# Altium PCB novena_evt1_a.PcbDoc (part 9 of 12)
Units mm, origin at the board's own origin, x right, y up, seen from the top; angles counter-clockwise.
Board outline 121 x 150 mm, 10 copper layers (Top, L2-GND, L3, L4, L5-PWR, L6-PWR, L7, L8, L9-GND, Bot), stack 1.621 mm thick; 951 components, 714 nets, 4891 pads, 2105 vias.
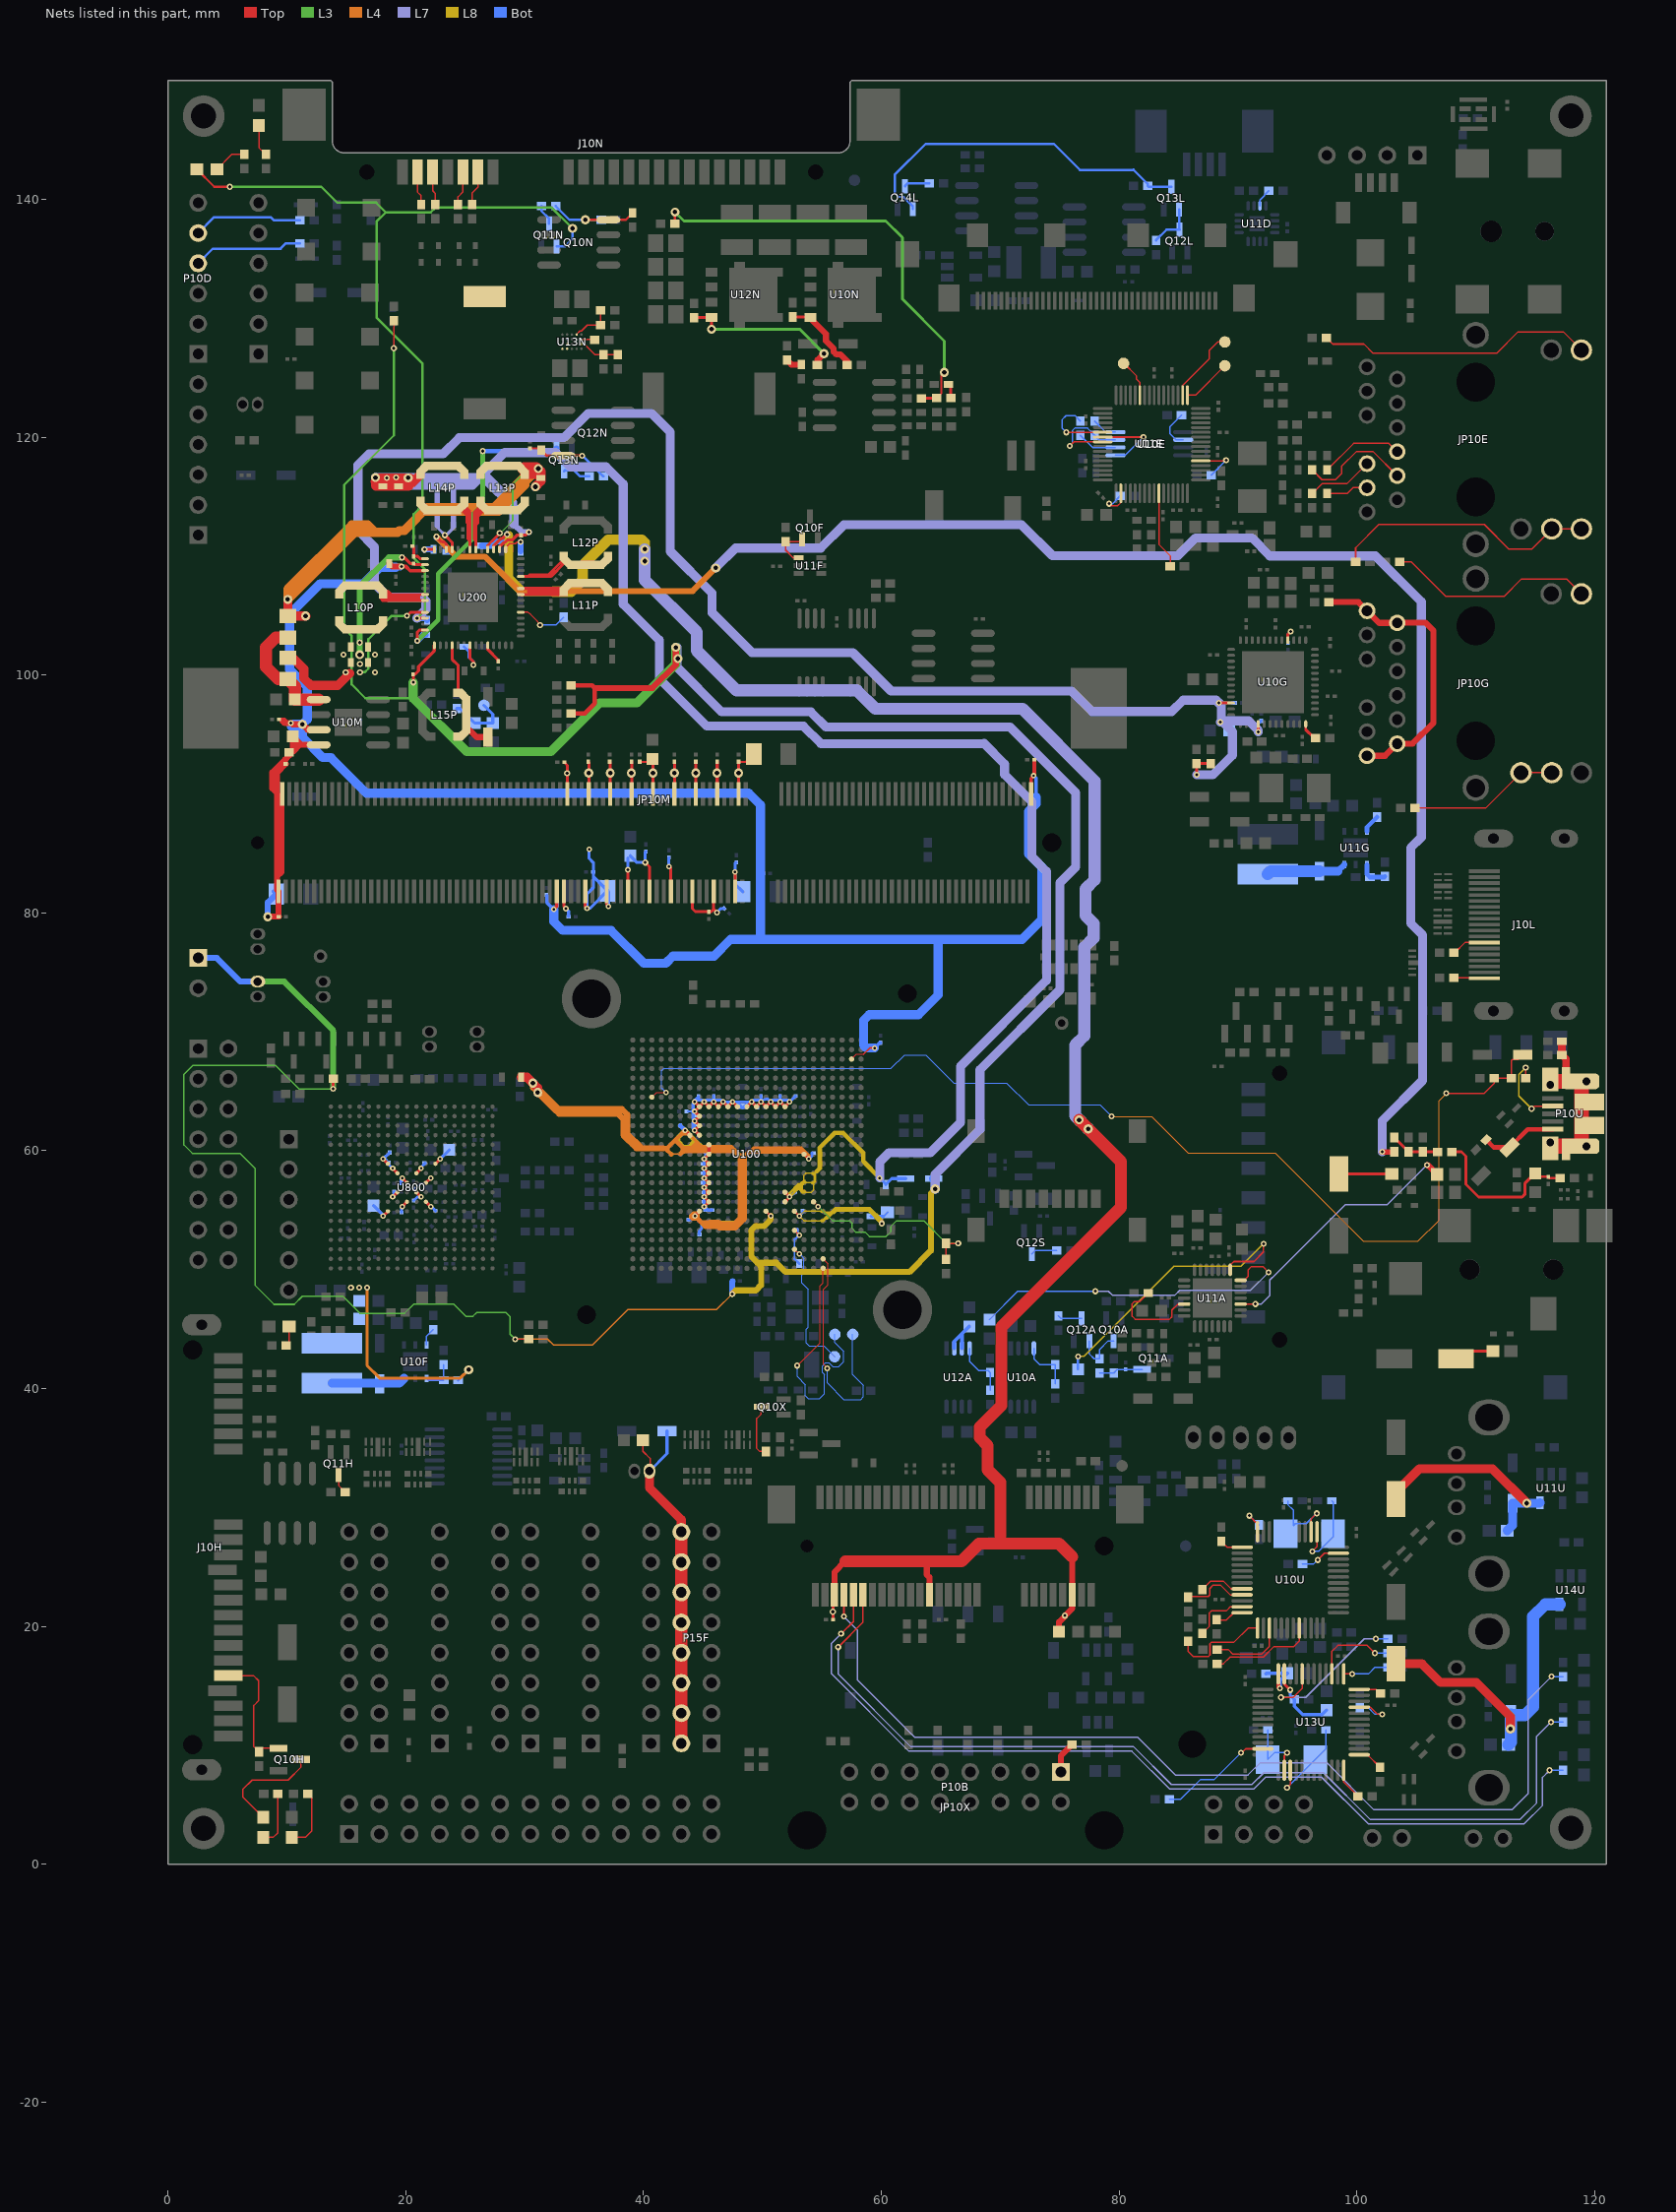
[diagram p17: the nets of this part, all layers, seen from the top]

## Via types
v1: diameter 0.508, hole 0.254, Top to Bot, tented both sides, 940 vias
v2: diameter 0.457, hole 0.203, Top to Bot, tented both sides, 793 vias
v3: diameter 0.762, hole 0.381, Top to Bot, tented both sides, 325 vias
v4: diameter 0.66, hole 0.33, Top to Bot, tented both sides, 23 vias
v5: diameter 0.66, hole 0.33, Top to Bot, tented top, 16 vias
v6: diameter 0.5, hole 0.254, Top to Bot, tented both sides, 8 vias

## Nets (pads, with @x,y where several pads share a name; then routed paths per layer and width w, separated by ;. In a path a pad name is that pad's centre, name@x,y a point inside that pad or via, vN(x,y) a via of type N, cw(c..) or ccw(c..) an arc to the next point about the centre after c; other vN are vias at no path point) (continued)
NetC20P_2: C20P.2 C23P.1 U200.29 | length 2
  Top w0.254: C23P.1@20.55,110.85 20.675,110.725 C20P.2@20.675,109.975 21,109.975 21.2,109.775 U200.29@21.625,109.775
NetC23X_1: C23X.1 C24X.1 L10X.2 U100.G8 | length 20.3
  Top w0.178: U100.G8@52.7,54.9 v2(53.1,54.5)
  L8 w0.127: 54.95,54.1 53.5,54.1 v2(53.1,54.5) 53.506,54.906 54.863,54.906 54.871,54.914 54.961,54.914
  L8 w0.254: 54.95,54.1 55.1,54.1 55.313,54.313 ; 54.961,54.914 55.089,54.914 55.1,54.925 55.25,54.775 55.575,54.775 ; 55.313,54.313 55.438,54.313 55.9,54.775 ; 55.313,54.313 55.575,54.575 ; 55.575,54.575 55.575,54.775 ; 55.575,54.575 55.775,54.775 ; 55.575,54.775 55.75,54.775 ; 55.75,54.775 56.125,55.15 59.05,55.15 60.028,54.172 v1(60.028,53.878) 58.931,54.975 56.225,54.975 56.025,54.775 55.9,54.775 ; 55.75,54.775 55.775,54.775 ; 55.775,54.775 55.9,54.775
  Bot w0.178: v2(53.1,54.5) 53.375,54.775 C24X.1@53.375,54.95 ; v1(60.028,53.878) 60.028,54.303 60.225,54.5 L10X.2@60.525,54.8
  Bot w0.254: C23X.1@59.125,54.5 L10X.2@60.225,54.5
NetC24N_1: C24N.1 R12N.1 | length 1.4
  Top w0.508: R12N.1@52.075,126.475 52.45,126.1 C24N.1@53.275,126.1
NetC24U_1: C24U.1 D16U.1 L11U.1 U11U.5 | length 18.4
  Top w0.762: C24U.1@103.3,30.7 103.3,31.275 105.275,33.25 111.4,33.25 v3(114.3,30.35)
  Bot w0.762: L11U.1@112.65,28.05 113.1,28.5 D16U.1@113.1,30.35 115.35,30.35 U11U.5@115.4,30.4
NetC25N_1: C25N.1 R16N.1 | length 1.2
  Top w0.254: C25N.1@65.65,124.425 65.85,124.225 R16N.1@65.85,123.275
NetC25U_1: C25U.1 P10U.0 R20U.1 | length 14
  Top w0.635: C25U.1@117.25,69.2 R20U.1@117.25,68.05 117.6,67.7 P10U.0@117.6,66.1
  Top w1.27: P10U.0@116.27,60.2 116.445,60.375 P10U.0@118.825,60.375 118.9,60.45 118.9,65.75 P10U.0@118.825,65.825 116.445,65.825 P10U.0@116.27,66
NetC26A_1: C26A.1 U11A.15 | length 25
  Top w0.127: U11A.15@89.35,49.975 89.35,50.375 89.65,50.675 91.35,50.675 92.15,51.475 v1(92.15,52.175)
  L8 w0.127: v1(76.55,42.7) 77.05,42.7 84.65,50.3 90.275,50.3 v1(92.15,52.175)
  Bot w0.203: C26A.1@76.55,41.625 v1(76.55,42.7) v1@76.575,42.725
NetC27N_2: C27N.2 Q10N.4 R24N.1 R29N.1 | length 8.5
  Top w0.203: v3(35.1,138.275) 35.105,138.28 Q10N.4@37.05,138.28 38.505,138.28 C27N.2@39.075,138.85
  Bot w0.203: R29N.1@32.625,139.425 33.775,138.275 v3(35.1,138.275) 35.105,138.28 R24N.1@36.45,138.28
NetC28A_1: C28A.1 U11A.14 | length 28.7
  Top w0.127: U11A.14@90.225,49.1 90.525,49.1 90.85,49.425 90.85,49.975 91.125,50.25 92.1,50.25 v1(92.575,49.775)
  L7 w0.127: v1(78,48.175) 79.106,48.175 79.425,47.856 84.706,47.856 85.1,48.25 91.05,48.25 v1(92.575,49.775)
  Bot w0.127: C28A.1@69.1,45.8 71.475,48.175 v1(78,48.175)
NetC29A_2: C29A.2 U12A.2 U12A.3 | length 3.6
  Bot w0.305: U12A.2@66.133,43.374 66.133,43.958 66.783,44.608 ; U12A.3@66.783,43.374 66.783,44.608 ; C29A.2@67.4,45.225 66.783,44.608
NetC30A_2: C30A.2 L10A.1 | length 3.4
  Top w0.254: C30A.2@108.35,42.5 109,43.15 L10A.1@111.45,43.15
NetC30N_2: C30N.2 Q12N.4 R35N.1 R38N.1 | length 7.2
  Top w0.203: C30N.2@30.45,119.05 31.25,119.05 R35N.1@31.4,118.9 31.855,118.445 Q12N.4@33.25,118.445 v1(34.845,118.445) v1@34.85,118.45
  Bot w0.203: v1(34.845,118.445) 34.88,118.445 R38N.1@36.625,116.7
NetC31A_2: C31A.2 L11A.1 | length 4.5
  Top w0.254: C31A.2@98.5,58.05 L11A.1@102.95,58.05
NetC31U_1: C31U.1 U10U.14 Y10U.1 | length 7.1
  Top w0.127: v1(96.25,26.3) 96.65,26.7 U10U.14@96.65,27.95
  Bot w0.127: v1(96.25,26.3) 96.775,26.3 98,27.525 Y10U.1@98,27.8 98,30.45 C31U.1@97.9,30.55
NetC32A_1: C32A.1 Q11A.1 R17A.1 R20A.1 | length 3.7
  Bot w0.127: R17A.1@78.35,41.3 R20A.1@79.55,41.3 79.85,41.6 C32A.1@80.55,41.6 Q11A.1@81.95,41.6
NetC32U_1: C32U.1 U10U.15 Y10U.2 | length 6.4
  Top w0.127: U10U.15@96.15,27.95 96.15,29.025 v1(96.625,29.5)
  Bot w0.127: C32U.1@94.2,30.55 94.2,30.225 94.675,29.75 Y10U.2@94.675,28.475 ; Y10U.2@94.662,28.462 Y10U.2@94.675,28.475 ; v1(96.625,29.5) 95.75,28.625 94.825,28.625 Y10U.2@94.675,28.475
NetC35A_2: C35A.2 C36A.1 R22A.2 R23A.1 | length 13.6
  Top w0.203: C36A.1@115,58.1 115.3,57.8 C35A.2@116.1,57.8 116.2,57.7 R22A.2@117.1,57.7
  Top w0.254: R23A.1@108,59.9 108.8,59.9 109.175,59.525 109.175,57.175 110.25,56.1 113.9,56.1 114.125,56.325 114.125,57.225 C36A.1@115,58.1
NetC37U_1: C37U.1 R28U.2 U13U.47 | length 6.2
  Top w0.127: U13U.47@93.9,15.15 U13U.47@93.9,16
  Top w0.254: U13U.47@93.9,15.15 v1(94.4,14.65)
  Bot w0.254: v1(94.4,14.65) 94.4,14.2 R28U.2@94.75,13.85 94.75,13.275 95.45,12.575 97.075,12.575 C37U.1@97.45,12.95
NetC38U_1: C38U.1 R31U.2 U13U.48 | length 4.6
  Top w0.305: U13U.48@93.4,16 93.4,14.9 v1(93.525,14.775)
  Bot w0.305: R31U.2@92.35,16 92.4,16.05 C38U.1@94.15,16.05 93.525,15.425 v1(93.525,14.775)
NetC50P_1: C50P.1 U200.52 | length 1.7
  Top w0.254: U200.52@26.9,102.5 26.9,102.133 27.775,101.258 C50P.1@27.775,101.15
NetC50U_1: C50U.1 D17U.1 L14U.1 U14U.5 | length 27.6
  Top w0.762: C50U.1@103.3,16.85 105.475,16.85 107.05,15.275 110.05,15.275 112.925,12.4 v3(112.925,11.375)
  Bot w1.016: L14U.1@112.75,10.05 112.95,10.25 D17U.1@112.95,12.6 113.025,12.525 114.125,12.525 114.825,13.225 114.825,20.825 115.85,21.85 U14U.5@117.05,21.85
NetC51P_1: C51P.1 U200.49 | length 3.6
  Top w0.254: U200.49@25.4,102.5 25.4,101.393 25.7,101.093 v1(25.7,100.85)
  Bot w0.254: C51P.1@24.9,102.375 25.325,101.95 25.325,101.468 25.7,101.093 v1(25.7,100.85)
NetC52P_1: C52P.1 C53P.1 J10P.1 R17P.1 | length 5.3
  Bot w0.254: R17P.1@24.3,97.175 24.575,97.175 C52P.1@25.8,95.95 C53P.1@27.325,95.95 27.325,96.7 J10P.1@26.575,97.45
NetC53C_1: C53C.1 C54C.1 C55C.1 C56C.1 C57C.1 C58C.1 C59C.1 C60C.1 U100.H17 U100.J17 U100.K17 U100.L17 U100.M17 U100.N17 U100.P17 | length 12.9
  Top w0.254: v2(45.1,55.3) U100.H17@45.5,55.7 v2(45.1,56.1) U100.J17@45.5,56.5 v2(45.1,56.9) U100.K17@45.5,57.3 v2(45.1,57.7) U100.L17@45.5,58.1 v2(45.1,58.5) U100.M17@45.5,58.9 v2(45.1,59.3) U100.N17@45.5,59.7
  Top w0.305: U100.N17@45.5,59.7 U100.P17@45.5,60.5
  Bot w0.254: C59C.1@45.2,55 v2@45.2,55.2 ; C60C.1@45.248,60.094 45.248,59.448 v2(45.1,59.3) 45.094,59.294 45.094,58.506 v2(45.1,58.5) 45.094,58.494 45.094,57.706 v2(45.1,57.7) 45.094,57.694 45.094,56.906 v2(45.1,56.9) 45.094,56.894 45.094,56.106 v2(45.1,56.1) 45.094,56.094 45.094,55.306 v2(45.1,55.3) v2@45.2,55.2 ; C57C.1@45.775,55 45.4,55 v2@45.2,55.2
NetC53U_1: C53U.1 U13U.14 Y11U.1 | length 5.9
  Top w0.127: U13U.14@93.9,7.9 93.9,9.15 v1(94.125,9.375)
  Bot w0.127: Y11U.1@92.5,8.8 Y11U.1@92.525,8.825 ; C53U.1@92.525,11.3 Y11U.1@92.525,8.825 ; v1(94.125,9.375) 93.075,9.375 Y11U.1@92.525,8.825
NetC54U_1: C54U.1 U13U.15 Y11U.2 | length 7.8
  Top w0.127: v1(94.125,6.425) 94.4,6.7 U13U.15@94.4,7.9
  Bot w0.127: v1(94.125,6.425) Y11U.2@96.5,8.8 97.4,9.7 C54U.1@97.4,11.3
NetC55M_1: C55M.1 R15M.2 R16M.2 U10M.1 | length 10
  Top w1.016: R16M.2@10.075,103.15 9.075,103.15 8.25,102.325 8.25,100.675 9.275,99.65 R15M.2@10.075,99.65 10.675,99.05 C55M.1@10.675,97.925 10.68,97.93 U10M.1@12.675,97.93
NetC74F_2: C74F.2 D21F.1 P15F.2 P15F.4 P15F.6 P15F.8 P15F.10 P15F.12 P15F.14 P15F.16 P_PWM.1 | length 30.9
  Top w0.127: C74F.2@39.95,35.65 39.95,34.725 40.55,34.125 40.55,33.1 P_PWM.1@40.5,33.05
  Top w0.762: P_PWM.1@40.5,33.05 40.5,31.65 43.18,28.97 P15F.16@43.18,27.94
  Top w1.016: P15F.2@43.18,10.16 P15F.4@43.18,12.7 P15F.6@43.18,15.24 P15F.8@43.18,17.78 P15F.10@43.18,20.32 P15F.12@43.18,22.86 P15F.14@43.18,25.4 P15F.16@43.18,27.94
  Bot w0.254: P_PWM.1@40.5,33.05 41.975,34.525 D21F.1@41.975,36.425
NetD10F_1: D10F.1 R22F.1 | length 1.7
  Top w0.127: R22F.1@9.95,43.6 10.2,43.85 D10F.1@10.2,45.2
NetD10G_2: D10G.2 L12G.1 U11G.3 | length 6.8
  Bot w0.508: 98.4,83.5 U11G.3@98.95,84.05
  Bot w0.762: D10G.2@96.85,83.5 98.4,83.5
  Bot w1.016: L12G.1@92.5,83.25 92.75,83.5 D10G.2@96.85,83.5
NetD10H_1: D10H.1 Q10H.3 | length 9.4
  Top w0.127: D10H.1@8,3.95 6.3,5.65 6.3,6.3 7.075,7.075 10.1,7.075 11.2,8.175 Q10H.3@11.2,8.8
NetD10H_2: D10H.2 R14H.2 | length 4.7
  Top w0.127: D10H.2@8,2.25 8.85,2.25 9.25,2.65 R14H.2@9.25,5.9
NetD10P_2: D10P.2 R10P.2 | length 2.8
  Top w0.127: D10P.2@4.125,142.525 5.375,143.775 R10P.2@6.425,143.775
NetD11F_2: D11F.2 L10F.1 U10F.3 | length 6.2
  Bot w0.762: L10F.1@13.8,40.45 19.45,40.45 U10F.3@19.85,40.85
NetD11P_1: D11P.1 L15P.1 U200.46 | length 7.3
  Top w0.254: U200.46@23.9,102.5 23.9,101.325 24.4,100.825 24.4,98.6 L15P.1@24.375,98.575
  Top w0.508: L15P.1@25.1,96.65 25.1,95.65 25.975,94.775 D11P.1@26.9,94.775
NetD12F_2: D12F.2 R27F.2 | length 5.2
  Top w0.127: D12F.2@10.4,2.25 11.55,2.25 12.075,2.775 12.075,5.575 R27F.2@11.75,5.9
NetD14D_2: D14D.2 R18D.2 | length 2.7
  Top w0.127: D14D.2@7.65,146.2 7.65,144.35 R18D.2@8.225,143.775
NetJ10C_1: J10C.1 U100.C8 | length 11.5
  Top w0.102: U100.C8@52.7,51.7 v2(53.1,51.3)
  Bot w0.102: v2(53.1,51.3) 53.141,51.3 53.502,50.938 53.502,49.752 53.3,49.55 53.3,48.875 53.85,48.325 53.85,45.15 53.7,45 53.7,43.825 53.95,43.575 55.175,43.575 J10C.1@56.075,42.675
NetJ10E_1: J10E.1 U10E.27 | length 3.3
  Top w0.127: J10E.1@80.375,126.2 80.425,126.2 81.45,125.175 81.45,124.9 81.75,124.6 U10E.27@81.75,123.529
NetJ10H_5: J10H.5 Q10H.1 R13H.2 | length 10.8
  Top w0.127: J10H.5@5.075,15.855 7.195,15.855 7.625,15.425 7.625,13.75 7.225,13.35 7.225,9.875 R13H.2@7.65,9.45 7.95,9.75 Q10H.1@9.3,9.75
NetJ10L_13: J10L.13 R31L.1 | length 2.9
  Top w0.127: R31L.1@108.15,76.65 108.25,76.65 109.1,77.5 J10L.13@110.74,77.5
NetJ10L_19: J10L.19 R32L.1 | length 2.6
  Top w0.127: R32L.1@108.15,74.55 110.69,74.55 J10L.19@110.74,74.5
NetJ10N_17: J10N.17 R22N.1 | length 2.9
  Top w0.127: R22N.1@25.6,139.55 25.6,140.55 26.075,141.025 J10N.17@26.075,142.3
NetJ10N_18: J10N.18 R23N.1 | length 2.9
  Top w0.127: R23N.1@24.4,139.55 24.4,140.2 24.805,140.605 J10N.18@24.805,142.3
NetJ10N_20: J10N.20 R26N.1 | length 2.8
  Top w0.127: J10N.20@22.265,142.3 22.265,140.71 22.5,140.475 R26N.1@22.5,139.55
NetJ10N_21: J10N.21 R27N.1 | length 2.9
  Top w0.127: J10N.21@20.995,142.3 20.975,142.28 20.975,140.625 21.3,140.3 R27N.1@21.3,139.55
NetJ11C_1: J11C.1 U100.A5 | length 20.9
  Top w0.102: v1@52.975,41.95 54.85,43.825 54.85,48.616 55.1,48.866 U100.A5@55.1,50.1
  Bot w0.102: v1(52.925,41.925) 52.925,41.025 53.625,40.325 53.625,39.4 53.875,39.15 54.8,39.15 55.2,39.55 55.2,41.175 55.044,41.331 55.044,41.894 55.3,42.15 55.6,42.15 55.925,41.825 56.425,41.825 56.85,42.25 56.85,43.125 56.1,43.875 J11C.1@56.1,44.55
NetJ11E_1: J11E.1 U10E.18 | length 6.3
  Top w0.127: U10E.18@85.35,123.529 85.35,124.35 87.6,126.6 87.6,127.3 88.3,128 J11E.1@88.9,128
NetJ12C_1: J12C.1 U100.B5 | length 20.2
  Top w0.102: U100.B5@55.1,50.9 55.5,50.5 55.5,48.7 55.125,48.325 55.125,42.025 v1(55.45,41.7)
  Bot w0.102: v1(55.45,41.7) 55.45,40.475 56.85,39.075 58.275,39.075 58.5,39.3 58.5,40.275 57.6,41.175 J12C.1@57.6,44.55
NetJ12E_1: J12E.1 U10E.17 | length 4.2
  Top w0.127: U10E.17@85.75,123.529 86.429,123.529 J12E.1@88.9,126
NetJP10E_L1: JP10E.L1 R25E.2 | length 23.4
  Top w0.127: R25E.2@97.45,128.35 97.975,127.825 100.6,127.825 101.375,127.05 111.75,127.05 113.55,128.85 117.36,128.85 JP10E.L1@118.89,127.32
NetJP10E_L4: JP10E.L4 JP10E.L5 R24E.2 | length 22.6
  Top w0.127: R24E.2@99.9,109.5 99.9,110.7 101.85,112.65 110.725,112.65 112.8,110.575 114.7,110.575 116.395,112.27 JP10E.L5@116.395,112.28 JP10E.L4@118.89,112.28
NetJP10E_R4: JP10E.R4 R29E.2 | length 7.1
  Top w0.127: R29E.2@97.5,117.25 99.725,119.475 102.699,119.475 JP10E.R4@103.39,118.784
NetJP10E_R5: JP10E.R5 R28E.2 | length 9.7
  Top w0.127: R28E.2@96.25,117.25 97.075,116.425 98.2,116.425 98.725,116.95 98.725,117.55 99.975,118.8 101.342,118.8 JP10E.R5@103.39,116.752
NetJP10E_R10: JP10E.R10 R26E.2 | length 5.7
  Top w0.127: R26E.2@96.25,115.25 97.075,116.075 99.167,116.075 JP10E.R10@100.86,117.768
NetJP10E_R11: JP10E.R11 R27E.2 | length 3.6
  Top w0.127: R27E.2@97.5,115.25 99.175,115.25 99.675,115.75 100.846,115.75 JP10E.R11@100.86,115.736
NetJP10G_L1: JP10G.L1 R19G.1 | length 17.6
  Top w0.127: R19G.1@103.6,109.5 104.6,109.5 107.5,106.6 112.375,106.6 113.85,108.075 117.635,108.075 JP10G.L1@118.89,106.82
NetJP10G_L5: JP10G.L5 JP10G.L6 R15G.1 | length 12.7
  Top w0.127: R15G.1@104.9,88.8 110.83,88.8 JP10G.L6@113.81,91.78 JP10G.L5@116.395,91.78
NetJP10G_R1: JP10G.R1 JP10G.R6 JP10G.R7 JP10G.R12 R14G.1 | length 24.3
  Top w0.508: R14G.1@97.65,106.125 100.131,106.125 JP10G.R7@100.86,105.396 101.876,104.38 102.95,104.38 102.97,104.4 105.775,104.4 106.45,103.725 106.45,95.975 104.695,94.22 JP10G.R6@103.39,94.22 102.374,93.204 JP10G.R12@100.86,93.204
NetJP10X_42: JP10X.42 R17X.1 | length 81.1
  Top w0.127: v1(56.375,18.25) 58.455,20.33 JP10X.42@58.455,22.65
  L7 w0.127: v1(56.375,18.25) 56.375,15.984 62.484,9.875 81.23,9.875 84.405,6.7 91.175,6.7 92.175,7.7 97.184,7.7 101.109,3.775 113.75,3.775 115.125,5.15 115.125,10.75 v1(116.325,11.95)
  Bot w0.127: v1(116.325,11.95) R17X.1@117.35,11.95
NetJP10X_44: JP10X.44 R18X.1 | length 78.3
  Top w0.127: v1(56.625,19.375) 57.655,20.405 JP10X.44@57.655,22.65
  L7 w0.127: v1(56.625,19.375) 55.8,18.55 55.8,16.029 62.329,9.5 81.075,9.5 84.25,6.325 91.33,6.325 92.33,7.325 97.029,7.325 100.954,3.4 114.075,3.4 115.624,4.949 115.624,7.299 v1@116.225,7.9
  Bot w0.127: v1(116.2,7.9) R18X.1@117.35,7.9
NetJP10X_46: JP10X.46 R19X.1 | length 81.6
  Top w0.127: JP10X.46@56.855,22.65 v1(56.855,20.82) v1@56.875,20.8
  L7 w0.127: v1(56.855,20.82) 58,19.675 58,15.491 62.816,10.675 81.562,10.675 84.737,7.5 90.844,7.5 91.844,8.5 97.516,8.5 101.441,4.575 113.05,4.575 114.425,5.95 114.425,13.825 v1(116.375,15.775)
  Bot w0.127: v1(116.375,15.775) 116.4,15.75 R19X.1@117.35,15.75
NetL10P_1: L10P.1 U200.35 U200.36 | length 15.4
  Top w0.254: L10P.1@17.85,106.65 17.925,106.575 L10P.1@18.05,106.575 ; L10P.1@17.975,106.775 L10P.1@18.1,106.775 ; 18.1,106.4 21.075,106.4 21.1,106.425 21.1,106.725 21.025,106.725 20.875,106.575 L10P.1@18.05,106.575 ; U200.36@21.625,106.275 18.05,106.275 17.9,106.425 L10P.1@18.05,106.575 ; U200.35@21.625,106.775 18.75,106.775 ; L10P.1@18.05,106.575 18.1,106.625 L10P.1@18.1,106.775 ; L10P.1@18.1,106.775 L10P.1@18.1,106.8 18.325,107.025 18.5,107.025 18.75,106.775 ; L10P.1@18.1,106.775 18.75,106.775
NetL11N_1: L11N.1 U13N.D3 U13N.D4 U13N.E3 U13N.E4
NetL11P_2: L11P.2 U200.8 U200.9 | length 13.6
  Top w0.254: U200.8@29.675,106.775 30.325,106.775 ; U200.9@29.675,107.275 30.35,107.275 ; 30.4,107.275 L11P.2@33.05,107.275 ; L11P.2@33.1,106.775 30.325,106.775 ; 30.325,106.775 30.325,107 ; 30.325,107 30.325,107.25 30.35,107.275 ; 30.325,107 30.362,107.037 ; 30.35,107.275 30.35,107.05 30.362,107.037 ; 30.362,107.037 30.45,106.95 33.2,106.95 33.325,107.075 30.5,107.075 30.45,107.125 30.362,107.037
NetL12A_1: L12A.1 U11A.10 | length 22.5
  Top w0.127: U11A.10@90.225,47.1 v1(91.475,47.1)
  Top w0.508: v1(105.9,58.8) 105.95,58.8 L12A.1@106.75,58
  L7 w0.127: v1(91.475,47.1) 91.95,47.1 92.675,47.825 92.675,49.118 93.207,49.65 93.225,49.65 99.025,55.45 102.55,55.45 v1(105.9,58.8)
NetL12P_2: L12P.2 U200.11 | length 8.8
  Top w0.254: U200.11@29.675,108.275 30.275,108.275 ; L12P.2@33.3,110 33.3,109.722 32.978,109.4 ; L12P.2@33.475,109.55 L12P.2@33.325,109.4 ; L12P.2@33.575,109.4 L12P.2@33.325,109.4 ; 30.275,108.275 32.2,108.275 L12P.2@33.325,109.4 ; 30.275,108.275 30.419,108.419 31.997,108.419 32.978,109.4 ; 32.978,109.4 L12P.2@33.325,109.4
NetL13P_1: L13P.1 U200.21 | length 9.4
  Top w0.254: U200.21@25.9,110.55 25.9,111.3 ; L13P.1@26.3,114.6 26.3,114.2 25.756,113.656 25.756,112.481 ; 25.756,112.481 25.756,111.444 25.9,111.3 ; 25.756,112.481 25.9,112.625 ; 25.9,111.3 25.9,112.625 ; 25.9,112.625 25.9,113.475 L13P.1@26.55,114.125 26.55,113.825 26.05,113.325 26.05,112.775 25.9,112.625
NetL14P_2: L14P.2 U200.22 | length 10.3
  Top w0.254: U200.22@25.4,110.55 25.4,111.275 ; L14P.2@24.675,114.125 25.3,113.5 25.3,112.663 ; L14P.2@24.675,114.125 24.675,113.9 25.15,113.425 25.15,112.813 25.23,112.733 ; L14P.2@24.675,114.125 25,114.125 25.4,113.725 25.4,111.275 ; 25.23,112.733 25.23,111.445 25.3,111.375 ; 25.23,112.733 25.3,112.663 ; 25.3,111.375 25.4,111.275 ; 25.3,111.375 25.3,112.663
NetP10B_1: P10B.1 R13B.1 | length 2.7
  Top w0.508: P10B.1@75.1,7.75 75.1,9.1 R13B.1@76.05,10.05
NetP10D_4: P10D.4 R15D.1 | length 9.3
  Bot w0.203: P10D.4@2.54,134.62 3.77,135.85 9.475,135.85 9.925,136.3 R15D.1@11.1,136.3
NetP10D_5: P10D.5 R16D.1 | length 9.2
  Bot w0.203: P10D.5@2.54,137.16 3.88,138.5 8.65,138.5 8.9,138.25 R16D.1@11.1,138.25
NetP10U_4: P10U.4 R41U.2 | length 6.9
  Top w0.127: R41U.2@114.2,66.1 v1(114.2,66.975) ; v1(114.7,63.525) 114.925,63.75 P10U.4@116.475,63.75
  L8 w0.127: v1(114.2,66.975) 113.625,66.4 113.625,64.6 v1(114.7,63.525)
NetQ10A_3: Q10A.3 Q12A.1 R17A.2 | length 4.4
  Bot w0.127: Q12A.1@77.5,44 77.5,42.9 77.9,42.5 R17A.2@78.35,42.5 78.35,43.275 79.075,44 Q10A.3@79.55,44
NetQ10F_1: Q10F.1 R26F.1 U11F.4 | length 3.6
  Top w0.127: U11F.4@53.05,109.85 52.6,109.85 51.95,110.5 R26F.1@51.95,111.2 53.15,111.2 Q10F.1@53.35,111.4
NetQ10X_3: Q10X.3 R10X.2 | length 4.5
  Top w0.127: Q10X.3@49.9,38.45 49.9,37.85 49.525,37.475 49.525,34.95 49.775,34.7 R10X.2@50.3,34.7
NetQ11H_3: Q11H.3 R11H.2 | length 1.7
  Top w0.127: Q11H.3@14.35,32.75 14.35,31.85 R11H.2@14.9,31.3
NetQ11N_3: Q11N.3 R29N.2 | length 1.7
  Bot w0.203: R29N.2@31.425,139.425 31.425,139 32.05,138.375 Q11N.3@32.05,137.96
NetQ12A_3: Q12A.3 R21A.2 | length 2
  Bot w0.127: R21A.2@74.9,46.1 75.1,45.9 Q12A.3@76.85,45.9
NetQ12L_3: Q12L.3 Q13L.1 R15L.2 | length 4.1
  Bot w0.203: R15L.2@83.1,136.55 84,137.45 Q12L.3@85.1,137.45 85.05,137.5 Q13L.1@85.05,139.15
NetQ12S_3: Q12S.3 R13S.2 | length 2.2
  Bot w0.127: Q12S.3@72.65,51.3 72.95,51.6 R13S.2@74.75,51.6
NetQ13L_3: Q13L.3 Q14L.1 R17L.1 | length 29.7
  Bot w0.203: Q14L.1@62.65,139.2 62.65,139.4 61.85,140.2 61.475,140.2 61.125,140.55 61.125,142.05 63.725,144.65 74.525,144.65 76.7,142.475 81.175,142.475 81.2,142.5 82.4,141.3 R17L.1@82.4,141.15 82.5,141.05 Q13L.3@84.4,141.05
NetQ13N_3: Q13N.3 R38N.2 | length 2.3
  Bot w0.203: Q13N.3@33.325,117.145 33.38,117.2 34.175,117.2 34.675,116.7 R38N.2@35.425,116.7
NetQ14L_3: Q14L.3 R19L.2 | length 2.2
  Bot w0.203: Q14L.3@62,141.1 62.25,141.35 R19L.2@64.05,141.35
NetR10A_2: R10A.2 R12A.1 U10A.4 | length 4.5
  Bot w0.127: U10A.4@72.833,43.374 72.833,42.492 73.325,42 R12A.1@74.65,42 R10A.2@74.65,40.4
NetR10E_2: R10E.2 U10E.50 | length 3.1
  Top w0.127: v1(79.175,114.4) 79.35,114.225 79.875,114.225 80.15,114.5 U10E.50@80.15,115.279
  Bot w0.127: v1(79.175,114.4) 79.45,114.4 R10E.2@80.1,115.05
NetR10N_2: R10N.2 R11N.1 U10N.4 | length 7
  Top w0.254: R11N.1@52.55,130.1 54,130.1 U10N.4@54.03,130.07
  Top w0.508: U10N.4@54.03,130.07 54.03,129.995 55.35,128.675 55.35,128.1 56,127.45 56,127.175 56.225,126.95 56.575,126.95 57.125,126.4 R10N.2@57.125,126.05
NetR11A_1: R11A.1 U11A.26 | length 8.1
  Top w0.127: R11A.1@82.45,48.025 81.725,47.3 81.275,47.3 81.1,47.125 81.1,46.075 81.35,45.825 84.25,45.825 84.45,46.025 84.45,46.6 84.95,47.1 U11A.26@85.475,47.1
NetR11U_2: R11U.2 U10U.39 | length 6.3
  Top w0.127: R11U.2@88.25,18.05 89.175,18.05 89.55,17.675 92,17.675 92.65,18.325 U10U.39@92.65,19.85
NetR12G_1: R12G.1 U10G.48 | length 1.5
  Top w0.229: U10G.48@95.7,95.875 95.7,95.4 R12G.1@96.4,94.7
NetR12U_1: R12U.1 U10U.44 | length 8.8
  Top w0.127: R12U.1@88.25,16.85 88.775,16.85 89.35,17.425 92.15,17.425 93.025,18.3 94.7,18.3 95.15,18.75 U10U.44@95.15,19.85
NetR13A_2: R13A.2 R14A.1 U12A.4 | length 4.7
  Bot w0.127: U12A.4@67.433,43.374 67.433,42.267 68.2,41.5 69,41.5 R14A.1@69.15,41.35 R13A.2@69.15,39.85
NetR13N_1: R13N.1 R15N.2 R16N.2 | length 37.5
  Top w0.127: R16N.2@64.65,123.275 65.05,123.675 65.05,125.2 v3(65.3,125.45)
  Top w0.203: R13N.1@42.65,137.95 v3(42.65,138.925)
  Top w0.254: R15N.2@63.375,123.25 63.4,123.275 R16N.2@64.65,123.275
  L3 w0.254: v3(42.65,138.925) 43.4,138.175 60.375,138.175 61.775,136.775 61.775,131.6 65.3,128.075 v3(65.3,125.45)
NetR14E_2: R14E.2 U10E.58 | length 6.5
  Top w0.127: U10E.58@83.35,115.279 83.35,110.975 84.3,110.025 R14E.2@84.3,109.125
NetR14U_1: R14U.1 U10U.37 | length 8.4
  Top w0.127: R14U.1@85.8,18.75 85.8,17.9 86.225,17.475 87.525,17.475 87.65,17.6 87.65,18.55 87.775,18.675 89.675,18.675 90.85,19.85 U10U.37@91.65,19.85